# Allegro board ad-fmcmotcon1-ebz_layout.brd (continued)
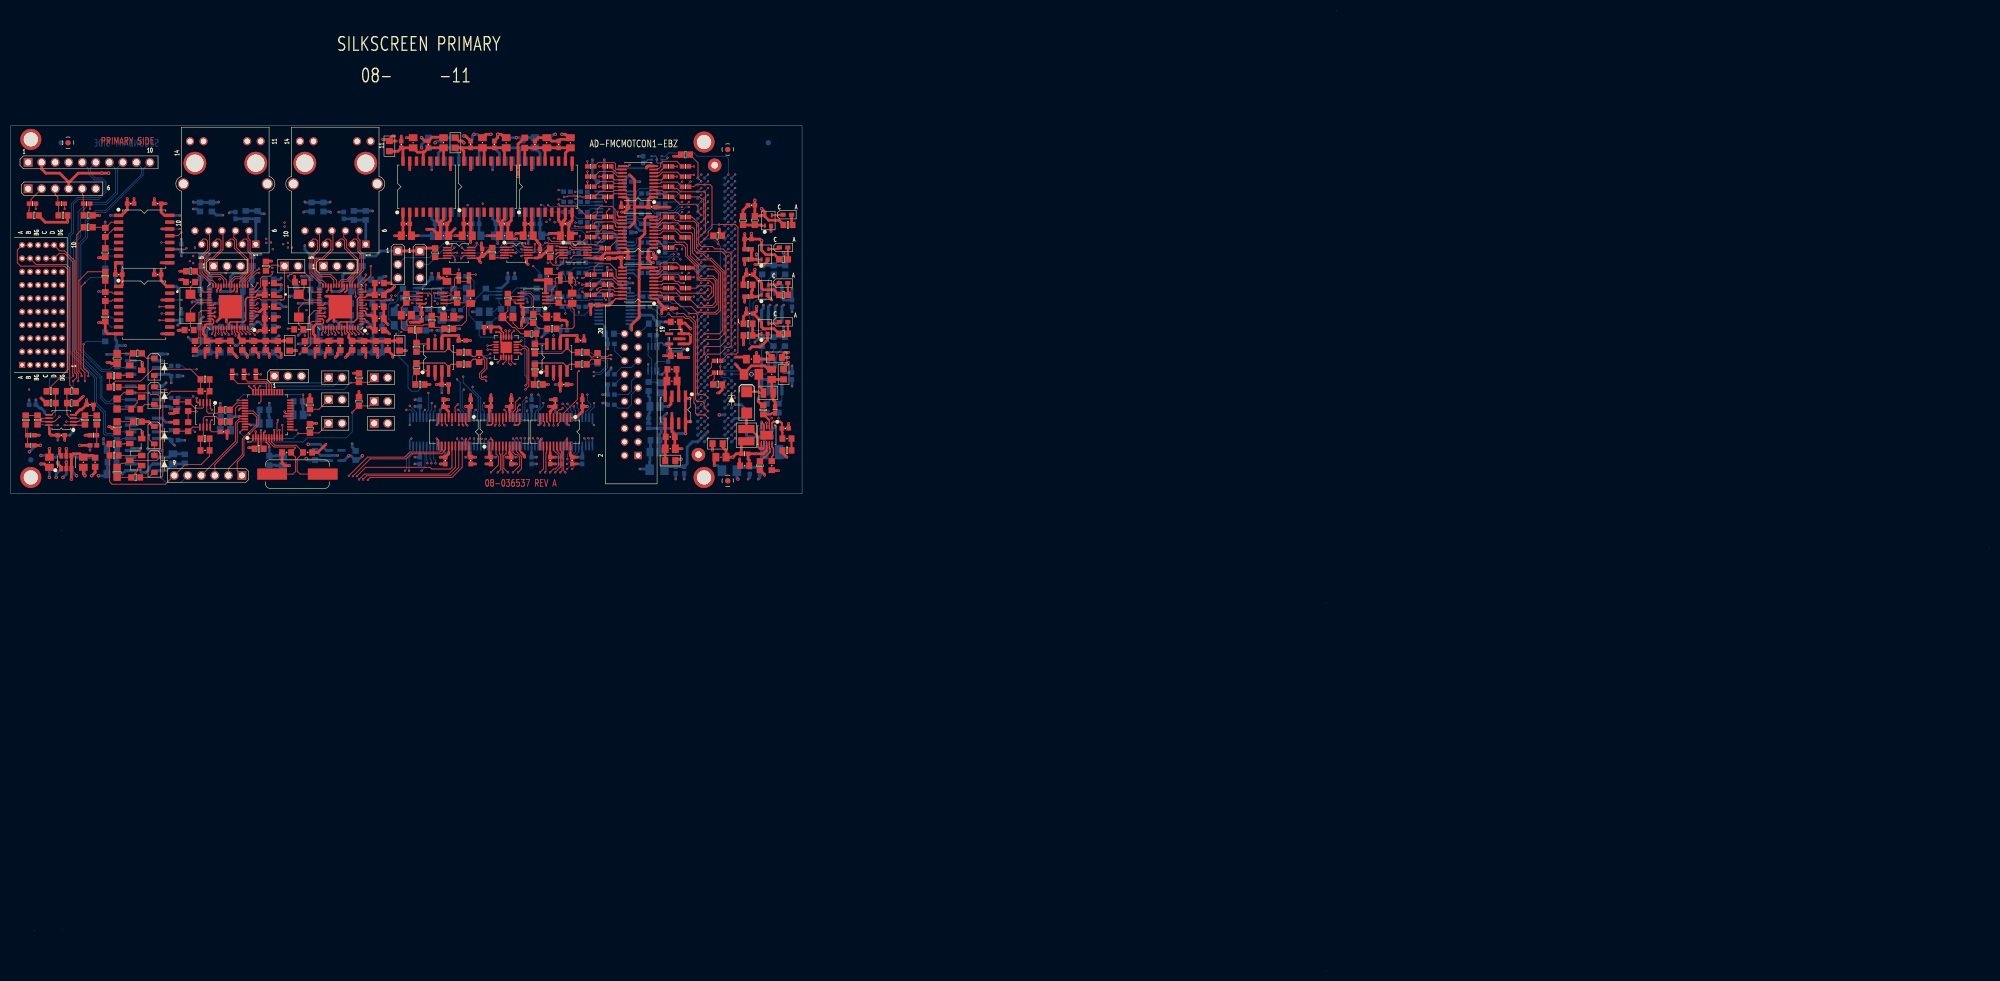
[diagram p0: board, top side]
## Routing (per net, layer and track width the routed paths; a pad name or vN(x,y) marks a point on that pad's centre or on a via; arc(x,y) is an arc through that point) (continued)
PHY1_AVDDC_1V8: length 10.9
  TOP w0.254: v1(38.39,125.29) 38.01,124.9 U28.35
  BOTTOM w0.508: E13.1 35.85,132.12 37.12,130.85 37.12,130.26 C117.1 C104.1 C98.1 37.66,125.29 v1(38.39,125.29) 39.13,125.29 C110.1
PHY1_CONFIG: length 11.3
  TOP w0.152: U28.15 44.5,129.36 46.14,131 v1(46.65,131)
  L5_SIGH w0.152: v1(46.65,131) 45.06,131 44.11,130.05 42.2,130.05 41.25,131 41.25,131.64 P11.2
PHY1_DVDD_1V0: length 19.9
  TOP w0.152: U28.42 37.95,121.4 38.07,121.53 38.07,121.54
  TOP w0.254: 38.07,121.54 38.07,122.11 37.78,122.4 U28.40 ; 46.65,123.7 46.01,123.7 45.81,123.9 U28.6 ; 36.49,121.16 36.73,121.4 U28.42
  TOP w0.508: C127.1 C122.1 C115.1 36.49,118.52 36.49,119.26 v1(36.17,119.57) 36.17,120.53 36.49,120.84 36.49,121.16 ; 46.65,123.7 46.75,123.7 C102.1 C96.1 C108.1 46.65,120.21 v1(46.33,119.89)
PHY1_LED_0: length 43.9
  TOP w0.152: U28.14 45.47,127.9 45.95,128.38 v1(46.33,129.1)
  L4_SIGV w0.152: v1(46.33,129.1) 42.58,129.1 41.88,129.79 41.88,134.62 42.14,134.87 42.14,137.16 41.63,137.67 34.01,137.67 33.76,137.92 31.72,137.92 30.96,138.68 30.96,153.02 P13.14
PHY1_LED_1: length 43
  TOP w0.152: U28.13 45.9,127.4 46.88,128.37 46.88,129.96 47.28,130.37 48.69,130.37 49.12,130.8 v1(49.12,131.19)
  L4_SIGV w0.152: P11.3 44.55,133.67 44.55,137.16 50.14,142.75 50.14,151.96 47.6,154.5 45.62,154.5 P13.12
  L5_SIGH w0.152: P11.3 47.64,132.27 48.72,131.19 v1(49.12,131.19)
PHY1_MDC: length 138.8
  TOP w0.152: R188.1 133.36,114.49 134.63,115.76 136.19,115.76 136.51,116.08 136.51,139.57 135.99,140.08 v1(132.94,140.08) ; v1(46.33,124.33) 45.94,124.33 45.87,124.4 U28.7
  L4_SIGV w0.152: v1(46.33,124.33) 49.12,127.13 51.92,127.13 52.68,127.89 52.68,135.23 52.81,135.36 v1(52.81,135.76)
  L5_SIGH w0.152: v1(52.81,135.76) 53.57,135 67.49,135 71.74,139.26 77,139.26 77.7,138.56 93.19,138.56 95.73,136.02 97.38,136.02 99.67,133.73 102.84,133.73 103.73,134.62 105.13,134.62 105.51,134.24 111.16,134.24 113.96,137.03 118.97,137.03 122.02,140.08 v1(132.94,140.08)
  BOTTOM w0.152: v1(132.94,140.08) 131.66,140.08 P1.G9
PHY1_MDI_N_0: length 12.3
  TOP w0.152: U28.27 38.5,128.99 37.95,129.54 37.44,129.54 35.92,131.06 35.92,133.86 37.31,135.25 37.31,138.72 P13.9
PHY1_MDI_N_1: length 15.2
  TOP w0.152: P13.8 39.85,138.72 39.85,135.33 38,133.48 36.8,133.48 36.68,133.35 36.68,131.44 37.44,130.68 39.47,130.68 40.5,129.66 U28.23
PHY1_MDI_N_2: length 13.4
  TOP w0.152: P13.7 41.88,138.6 41.88,137.67 42.39,137.16 42.39,135.76 44.68,133.48 44.68,131.57 43.03,129.92 42.14,129.92 41.5,129.29 41.5,129.25 41.5,129.25 U28.21
PHY1_MDI_N_3: length 11.7
  TOP w0.152: U28.17 43.5,129.38 45.57,131.44 45.57,134.49 44.93,135.13 44.93,137.16 44.55,137.54 44.55,138.72 P13.6
PHY1_MDI_P_0: length 12.3
  TOP w0.152: U28.28 38,128.87 37.73,129.14 37.33,129.14 35.53,130.94 35.53,133.99 36.93,135.38 36.93,137.03 36.61,137.36 36.11,137.36 35.85,137.1 P13.5
PHY1_MDI_P_1: length 15.2
  TOP w0.152: P13.4 38.39,137.1 38.65,137.36 39.15,137.36 39.47,137.03 39.47,135.38 37.87,133.78 36.68,133.78 36.35,133.46 36.35,131.26 37.31,130.3 39.34,130.3 40,129.65 U28.24
PHY1_MDI_P_2: length 13.4
  TOP w0.152: U28.22 41,129.29 42.01,130.3 42.98,130.3 44.37,131.7 44.37,133.27 42.01,135.64 42.01,137.03 41.69,137.36 41.19,137.36 40.93,137.1 P13.3
PHY1_MDI_P_3: length 11.6
  TOP w0.152: P13.2 43.47,137.1 43.73,137.36 44.23,137.36 44.55,137.03 44.55,135 45.19,134.37 45.19,131.57 43,129.39 U28.18
PHY1_MDIO: length 132.2
  TOP w0.152: v1(46.33,125.29) 45.94,124.9 U28.8 ; v1(132.82,136.4) 132.82,136.96 131.84,137.93 R185.2 ; v1(133.2,113.41) 133.2,112.65 133.32,112.52 R187.1
  L4_SIGV w0.152: v1(46.33,125.29) 50.14,129.1 50.14,133.86 v1(52.04,135.76)
  L5_SIGH w0.152: v1(132.82,136.4) 130.66,138.56 121.07,138.56 119.23,136.72 114.27,136.72 110.85,133.29 103.29,133.29 103.17,133.4 99.49,133.4 98.27,134.62 95.99,134.62 95.35,135.25 95.35,135.89 93.95,137.29 78.97,137.29 78.08,138.18 77.57,138.18 76.94,138.81 71.73,138.81 67.56,134.65 53.16,134.65 v1(52.04,135.76)
  BOTTOM w0.152: P1.G10 131.83,137.38 v1(132.82,136.4) 133.2,136.02 v1(133.2,113.41)
PHY1_RESETN: length 100.9
  TOP w0.152: v1(46.61,131.8) 46.32,131.51 46.12,131.51 44,129.39 U28.16
  L4_SIGV w0.152: v1(48.87,136.72) 48.87,136.32 47.6,135.05 47.6,132.79 v1(46.61,131.8)
  L5_SIGH w0.152: v1(48.87,136.72) 49.7,136.72 52.37,134.04 67.97,134.04 71.35,137.41 77.57,137.41 82.52,132.46 95.22,132.46 95.86,133.1 98.65,133.1 100.43,131.32 110.15,131.32 114.85,136.02 130.39,136.02 v1(130.9,135.51)
  BOTTOM w0.152: P1.G12 v1(130.9,135.51)
PHY1_RX_CLK: length 128
  TOP w0.152: U28.46 39.5,119.95 39.66,119.79 v1(39.66,119.38)
  L4_SIGV w0.152: v1(34.58,135.76) 34.58,135.13 35.53,134.18 35.53,132.33 39.98,127.89 39.98,126.24 41.26,124.96 41.26,121.93 39.66,120.33 v1(39.66,119.38)
  L5_SIGH w0.152: v1(34.58,135.76) 34.58,136.72 35.85,137.99 35.85,139.57 36.36,140.08 49,140.08 49.89,139.19 52.81,139.19 53.95,140.34 70.46,140.34 71.09,140.97 95.73,140.97 97.38,139.32 103.73,139.32 104.11,138.94 107.04,138.94 107.8,139.7 108.31,139.7 109.32,138.68 110.21,138.68 111.09,139.57 111.74,139.57 112.56,138.75 113.13,138.75 120.82,146.43 124.31,146.43 125.83,144.91 127.23,144.91 127.99,145.67 v1(129.63,145.67)
  BOTTOM w0.152: P1.H4 v1(129.63,145.67)
PHY1_RX_CTRL: length 127
  TOP w0.152: v1(37.76,119.57) 37.76,119.65 38,119.89 U28.43
  L4_SIGV w0.152: v1(37.76,119.57) 37.76,120.21 39.22,121.67 39.22,125.09 33.63,130.68 v1(33.63,133.22)
  L5_SIGH w0.152: v1(33.63,133.22) 33.63,134.37 34.39,135.13 46.46,135.13 47.09,135.76 47.09,138.18 47.73,138.81 53.06,138.81 54.19,139.94 70.64,139.94 71.29,140.59 95.61,140.59 97.26,138.94 101.32,138.94 102.84,137.41 103.35,137.41 104.37,138.43 104.75,138.43 105.77,137.41 108.77,137.41 109.54,138.18 110.85,138.18 111.61,137.41 112.43,137.41 120.69,145.67 123.42,145.67 125.2,143.89 129.12,143.89 v1(129.63,144.4)
  BOTTOM w0.152: P1.H5 v1(129.63,144.4)
PHY1_RXD_0: length 128
  TOP w0.152: U28.44 38.5,119.77 38.39,119.66 v1(38.39,119.25)
  L4_SIGV w0.152: v1(34.26,132.84) 34.26,130.56 39.6,125.22 39.6,121.54 38.39,120.33 v1(38.39,119.25)
  L5_SIGH w0.152: v1(34.26,132.84) 34.26,131.19 39.09,126.36 49.82,126.36 50.58,127.13 58.27,127.13 59.41,128.27 64.49,128.27 65.51,127.25 76.43,127.25 77.19,128.02 103.86,128.02 106.02,125.86 110.72,125.86 111.42,126.56 127.29,126.56 127.93,127.19 131.48,127.19 132.44,126.24 133.45,126.24 134.34,127.13 135.47,127.13 v1(135.98,126.62)
  BOTTOM w0.152: P1.C19 v1(135.98,126.62)
PHY1_RXD_1: length 127.5
  TOP w0.152: v1(39,119.6) U28.45
  L4_SIGV w0.152: v1(39,119.6) 39,120.31 39.98,121.28 39.98,125.29 35.22,130.05 35.22,133.22 v1(34.26,134.18)
  L5_SIGH w0.152: v1(34.26,134.18) 37.44,131 39.54,131 41.5,129.03 44.17,129.03 44.68,128.52 46.84,128.52 47.54,129.23 64.68,129.23 65.89,128.02 76.17,128.02 76.94,128.78 104.11,128.78 106.27,126.62 110.08,126.62 110.66,127.19 117.31,127.19 118.01,127.89 127.48,127.89 129.32,129.73 132.37,129.73 133.64,128.46 135.4,128.46 v1(135.98,127.89)
  BOTTOM w0.152: P1.C18 v1(135.98,127.89)
PHY1_RXD_2: length 127.5
  TOP w0.152: U28.47 40,119.87 v1(40.3,119.57)
  L4_SIGV w0.152: v1(40.3,119.57) 40.3,120.33 41.57,121.6 41.57,125.29 40.3,126.56 40.3,128.71 v1(39.22,129.79)
  L5_SIGH w0.152: v1(134.71,127.89) 134.21,127.89 133.45,127.13 132.31,127.13 130.98,128.46 128.56,128.46 126.97,126.87 126.47,126.87 125.83,127.51 125.32,127.51 124.69,126.87 124.31,126.87 123.67,127.51 123.16,127.51 122.53,126.87 122.08,126.87 121.45,127.51 120.75,127.51 120.12,126.87 119.61,126.87 118.97,127.51 118.08,127.51 117.45,126.87 111.1,126.87 110.46,126.24 106.15,126.24 103.99,128.4 77.06,128.4 76.3,127.63 65.63,127.63 64.68,128.59 58.46,128.59 57.38,127.51 43.92,127.51 43.03,128.4 37.82,128.4 34.77,131.44 34.77,131.95 35.02,132.2 35.67,132.2 38.07,129.79 v1(39.22,129.79)
  BOTTOM w0.152: P1.D18 v1(134.71,127.89)
PHY1_RXD_3: length 128.2
  TOP w0.152: U28.48 40.5,120 40.93,119.57 v1(40.93,119.38)
  L4_SIGV w0.152: v1(40.93,119.38) 40.93,120.33 41.88,121.28 41.88,125.6 40.65,126.84 40.65,130.65 v1(40.36,130.94)
  L5_SIGH w0.152: v1(40.36,130.94) 41.76,129.54 67.75,129.54 67.9,129.69 67.9,130.4 68.05,130.56 68.36,130.56 68.51,130.4 68.51,129.69 68.66,129.54 68.97,129.54 69.12,129.69 69.12,131.55 69.27,131.7 69.58,131.7 69.73,131.55 69.73,129.89 70.08,129.54 70.97,129.54 71.35,129.92 71.35,131.12 71.61,131.38 73.7,131.38 74.02,131.06 74.02,129.54 74.21,129.34 75.09,129.34 75.29,129.54 75.29,131.06 75.6,131.38 77.76,131.38 78.08,131.06 78.08,129.41 78.33,129.16 104.37,129.16 106.53,127 109.96,127 111.23,128.27 114.91,128.27 115.67,127.51 117.07,127.51 117.83,128.27 124.43,128.27 124.82,128.65 124.82,129.67 125.2,130.05 126.09,130.05 127.23,128.91 127.99,128.91 129.01,129.92 129.01,130.62 129.39,131 132.05,131 133.9,129.16 v1(134.71,129.16)
  BOTTOM w0.152: P1.D17 v1(134.71,129.16)
PHY1_TX_CLK: length 127.4
  TOP w0.152: U28.53 43,120.04 43.41,119.63 v1(43.41,119.51)
  L4_SIGV w0.152: v1(51.16,136.4) 49.5,136.4 47.92,134.81 47.92,129.1 44.04,125.22 44.04,120.14 v1(43.41,119.51)
  L5_SIGH w0.152: v1(134.71,140.59) 133.83,141.46 133.83,148.46 133.58,148.72 131.93,148.72 131.67,148.46 131.67,142.88 131.29,142.49 128.5,142.49 128.12,142.88 125.32,142.88 123.29,144.91 120.56,144.91 112.69,137.03 100.81,137.03 99.29,138.56 96.62,138.56 94.97,140.21 71.47,140.21 69.06,137.8 52.55,137.8 v1(51.16,136.4)
  BOTTOM w0.152: P1.D8 v1(134.71,140.59)
PHY1_TX_CTRL: length 128.3
  TOP w0.152: v1(45.82,119.38) 45.19,120.02 44.92,120.02 44.5,120.43 U28.56
  L4_SIGV w0.152: v1(52.04,136.65) 49.82,134.43 49.82,129.48 45.53,125.19 45.53,119.85 45.53,119.85 45.53,119.67 v1(45.82,119.38)
  L5_SIGH w0.152: v1(134.71,139.32) 132.93,141.1 123.04,141.1 122.89,141.25 122.89,143.36 122.73,143.51 122.43,143.51 122.28,143.36 122.28,141.25 122.12,141.1 121.82,141.1 121.67,141.25 121.67,143.36 121.51,143.51 121.21,143.51 121.06,143.36 121.06,141.25 120.9,141.1 120.6,141.1 120.45,141.25 120.45,143.1 120.29,143.26 119.99,143.26 119.84,143.1 119.84,141.25 119.68,141.1 119.38,141.1 119.23,141.25 119.23,142.09 119.08,142.24 118.77,142.24 118.62,142.09 118.62,141.25 114.72,137.35 113.45,137.35 112.75,136.65 109.83,136.65 108.43,135.25 103.86,135.25 102.64,134.04 100,134.04 97.76,136.27 97.76,136.91 94.84,139.83 71.6,139.83 69.19,137.41 52.81,137.41 v1(52.04,136.65)
  BOTTOM w0.152: P1.D9 v1(134.71,139.32)
PHY1_TXD_0: length 128.2
  TOP w0.152: U28.50 41.5,120.07 41.57,120 v1(41.57,119.57)
  L4_SIGV w0.152: v1(47.98,137.41) 47.09,136.53 47.09,135.89 45.57,134.37 45.57,131 46.96,129.6 46.96,129.03 43.15,125.22 43.15,121.79 41.57,120.21 v1(41.57,119.57)
  L5_SIGH w0.152: v1(134.71,136.78) 133.82,135.89 131.93,135.89 130.53,137.29 128.88,137.29 127.99,136.4 127.69,136.4 127.53,136.55 127.53,137.77 127.38,137.92 127.08,137.92 126.92,137.77 126.92,136.55 126.77,136.4 126.47,136.4 126.31,136.55 126.31,138.02 126.16,138.18 125.86,138.18 125.7,138.02 125.7,136.55 125.55,136.4 125.25,136.4 125.09,136.55 125.09,138.02 124.94,138.18 124.64,138.18 124.49,138.02 124.49,137.34 123.55,136.4 114.59,136.4 110.4,132.21 103.35,132.21 103.3,132.26 100,132.26 98.78,133.48 85.83,133.48 85.19,132.84 82.91,132.84 77.95,137.8 77.44,137.8 76.81,138.43 71.86,138.43 67.77,134.34 52.58,134.34 49.5,137.41 v1(47.98,137.41)
  BOTTOM w0.152: P1.D11 v1(134.71,136.78)
PHY1_TXD_1: length 128.2
  TOP w0.152: v1(42.2,119.25) 42.2,119.66 42,119.86 U28.51
  L4_SIGV w0.152: v1(42.2,119.25) 42.2,120.08 43.54,121.41 43.54,125.16 47.28,128.91 47.28,129.73 45.95,131.06 45.95,134.23 47.98,136.26 v1(47.98,136.65)
  L5_SIGH w0.152: v1(134.71,135.51) 134.01,134.81 125.77,134.81 125.58,135 121.77,135 121.39,135.38 118.34,135.38 117.45,134.49 117.45,131.06 117.32,130.94 116.85,130.94 116.7,131.09 116.7,134.98 116.54,135.13 116.24,135.13 116.09,134.98 116.09,131.35 115.67,130.94 97.13,130.94 95.99,132.08 86.72,132.08 85.83,131.19 83.16,131.19 77.32,137.03 71.48,137.03 68.17,133.73 52.17,133.73 49.82,136.08 48.55,136.08 v1(47.98,136.65)
  BOTTOM w0.152: P1.D12 v1(134.71,135.51)
PHY1_TXD_2: length 127.6
  TOP w0.152: U28.54 43.5,120.18 v1(44.17,119.51)
  L4_SIGV w0.152: v1(49.19,135.45) 48.23,134.49 48.23,128.91 44.55,125.22 44.55,119.89 v1(44.17,119.51)
  L5_SIGH w0.152: v1(134.71,132.97) 132.94,132.97 132.31,133.6 126.85,133.6 126.47,133.99 121.77,133.99 121.39,133.6 121.39,131.57 121.13,131.32 120.12,131.32 119.81,131.63 119.81,134.21 119.65,134.37 119.35,134.37 119.2,134.21 119.2,130.71 119.04,130.56 118.74,130.56 118.59,130.71 118.59,134.21 118.43,134.37 118.13,134.37 117.98,134.21 117.98,130.71 117.83,130.56 96.95,130.56 95.81,131.7 86.84,131.7 85.95,130.81 82.91,130.81 77.32,136.4 71.35,136.4 68.38,133.43 52.03,133.43 50.01,135.45 v1(49.19,135.45)
  BOTTOM w0.152: P1.D14 v1(134.71,132.97)
PHY1_TXD_3: length 127.6
  TOP w0.152: U28.55 44,120.31 44.42,119.89 44.55,119.89 v1(44.93,119.51)
  L4_SIGV w0.152: v1(44.93,119.51) 44.93,119.91 45.03,120.01 45.03,125.19 48.55,128.71 48.55,131.38 v1(49.12,131.95)
  L5_SIGH w0.152: v1(49.12,131.95) 49.53,131.95 50.55,130.94 54.97,130.94 55.98,129.92 66.65,129.92 70.59,133.86 78.71,133.86 82.4,130.18 103.86,130.18 105.89,128.14 107.92,128.14 108.43,128.65 121.39,128.65 121.89,129.16 121.89,132.72 122.02,132.84 122.33,132.84 122.48,132.69 122.48,128.93 122.63,128.78 122.94,128.78 123.09,128.93 123.09,132.69 123.24,132.84 123.55,132.84 123.7,132.69 123.7,128.93 123.85,128.78 124.16,128.78 124.31,128.93 124.31,132.59 124.56,132.84 126.59,132.84 126.97,132.46 129.77,132.46 130.28,132.97 132.31,132.97 133.58,131.7 v1(134.71,131.7)
  BOTTOM w0.152: P1.D15 v1(134.71,131.7)
PHY1_VDD_3V3: length 70.3
  TOP w0.254: v1(38.32,124.4) U28.36
  L4_SIGV w0.152: P13.11 45.81,156.84 37.33,156.84 P13.13 35.09,156.84 32.99,156.84 30.58,154.43 30.58,129.54 31.22,128.91 31.6,128.91 36.1,124.4 v1(38.32,124.4)
  BOTTOM w0.508: C113.1 C101.1 C107.1 ; E2.2 C125.1 ; E2.2 36.8,120.21 36.8,118.94 37.34,118.4 C107.1 ; E2.2 37.44,124.1 37.74,124.4 v1(38.32,124.4) ; C107.1 C120.1
PHY1_VDDO: length 27.2
  TOP w0.254: U28.49 41,121.54 41.25,121.79 42.52,121.79 ; 42.84,119.25 42.84,119.66 42.5,120 U28.52 42.5,121.77 42.52,121.79 ; 42.52,121.79 43.79,121.79 44.11,122.11 44.11,126.08 44.42,126.4 U28.11 45.9,126.4 46.33,126.83
  TOP w0.508: E1.2 51.32,118.3 51.22,118.2 C129.1 C126.1 C121.1 C114.1 42.84,118.83 42.84,119.25 ; 46.33,126.83 46.37,126.87 C131.1 C133.1
PHY2_AVDD_1V8: length 25
  TOP w0.254: U29.3 66.36,122.4 v1(66.97,121.79) ; v1(62.79,127.38) 63.14,127.73 U29.19 ; U29.38 58.86,123.4 v1(59.03,123.57) ; U29.26 59.64,127.8 v1(59.35,127.51)
  BOTTOM w0.508: C156.1 C168.1 ; C168.1 C173.1 ; C168.1 C163.1 C144.1 ; C175.1 68.02,124.07 67.92,124.17 E16.1 ; C175.1 C177.1 ; C175.1 C173.1 ; C150.1 65.6,121.06 66.33,121.79 v1(66.97,121.79) 67.92,120.84 C173.1
PHY2_AVDD_1V8_OUT: length 5.9
  TOP w0.254: U29.39 58.87,122.9 v1(59.03,122.75)
  BOTTOM w0.508: v1(55.22,136.14) 55.22,135.38 56.43,134.18 E15.2 ; v1(71.73,125.92) 70.46,125.92 E16.2
PHY2_AVDD_3V3: length 22.7
  TOP w0.254: v1(61.7,127.51) 62.08,127.51 62.42,127.85 62.47,127.85 62.64,128.02 U29.20 ; U29.25 60.14,127.67 v1(60.3,127.51)
  BOTTOM w0.508: C164.1 C151.1 ; C151.1 C145.1 ; C151.1 C157.1 ; C157.1 65.6,131.57 ; C157.1 C169.1 ; 65.6,131.57 65.6,131.85 E6.2 ; 65.6,131.57 65,131.57 64.36,130.94 62.71,130.94 62.33,130.56 62.33,128.14 v1(61.7,127.51) v1(60.3,127.51)
PHY2_AVDDC_1V8: length 10.8
  TOP w0.254: v1(59.03,125.29) 58.64,124.9 U29.35
  BOTTOM w0.508: C155.1 v1(59.03,125.29) 58.29,125.29 C143.1 C149.1 C162.1 57.98,130.15 57.12,131 57.12,131.64 E15.1
PHY2_CONFIG: length 8.8
  TOP w0.152: v1(66.65,130.68) 66.65,130.38 65.14,128.87 U29.15
  L5_SIGH w0.152: P12.2 62.84,130.68 v1(66.65,130.68)
PHY2_DVDD_1V0: length 20.4
  TOP w0.152: 58.71,121.54 58.71,121.53 58.58,121.4 U29.42
  TOP w0.254: U29.42 57.37,121.4 57.12,121.16 ; U29.6 66.45,123.9 66.65,123.7 66.65,123.44 67.03,123.06 ; U29.40 58.42,122.4 58.71,122.11 58.71,121.54
  TOP w0.508: v1(66.97,120.84) 67.6,120.84 68.24,120.21 C153.1 C147.1 ; C147.1 67.7,123.06 67.03,123.06 ; C147.1 C141.1 ; 57.12,121.16 56.81,120.84 v1(56.81,119.57) 57.12,119.26 57.12,118.52 C160.1 C167.1 C172.1
PHY2_LED_0: length 41.5
  TOP w0.152: U29.14 65.84,128.73 67.6,130.49 v1(67.6,132.27)
  L4_SIGV w0.152: P12.3 60.17,135.89 60.17,137.03 59.41,137.8 54.2,137.8 52.62,139.38 52.62,140.65 51.66,141.6 51.66,153.09 P15.14
  L5_SIGH w0.152: P12.3 v1(67.6,132.27)
PHY2_LED_1: length 35.6
  TOP w0.152: v1(66.65,128.78) 66.65,127.57 66.48,127.4 U29.13
  L4_SIGV w0.152: v1(66.65,128.78) 65.25,130.18 65.25,137.22 70.46,142.43 70.46,152.91 68.87,154.5 66.26,154.5 P15.12
PHY2_MDC: length 87
  TOP w0.152: R188.2 131.99,114.49 131.55,114.05 131.55,113.3 v1(130.9,112.65) ; v1(66.9,124.21) 66.71,124.4 U29.7
  L5_SIGH w0.152: v1(130.9,112.65) 130.39,112.14 129.64,112.14 126.64,109.14 122.02,109.14 120.62,110.54 120.62,116.59 119.96,117.25 119.96,120.87 119.35,121.48 114.27,121.48 113,120.21 99.67,120.21 96.69,123.19 88.24,123.19 86.53,121.48 78.71,121.48 76.17,118.94 71.03,118.94 66.9,123.06 v1(66.9,124.21)
  BOTTOM w0.152: P1.G30 v1(130.9,112.65)
PHY2_MDI_N_0: length 12.3
  TOP w0.152: P15.9 57.95,138.72 57.95,135.25 56.55,133.86 56.55,131.06 58.08,129.54 58.59,129.54 59.14,128.99 U29.27
PHY2_MDI_N_1: length 15.2
  TOP w0.152: P15.8 60.49,138.72 60.49,135.33 58.64,133.48 57.44,133.48 57.32,133.35 57.32,131.44 58.08,130.68 60.11,130.68 61.14,129.66 U29.23
PHY2_MDI_N_2: length 13.4
  TOP w0.152: U29.21 62.14,129.25 62.14,129.25 62.14,129.29 62.27,129.41 63.16,129.41 65.32,131.57 65.32,133.48 63.03,135.76 63.03,137.16 62.52,137.67 62.52,138.6 P15.7
PHY2_MDI_N_3: length 11.7
  TOP w0.152: P15.6 65.19,138.72 65.19,137.54 65.57,137.16 65.57,135.13 66.21,134.49 66.21,131.44 64.14,129.38 U29.17
PHY2_MDI_P_0: length 12.3
  TOP w0.152: U29.28 58.64,128.87 58.37,129.14 57.97,129.14 56.17,130.94 56.17,133.99 57.57,135.38 57.57,137.03 57.25,137.36 56.75,137.36 56.49,137.1 P15.5
PHY2_MDI_P_1: length 15.2
  TOP w0.152: P15.4 59.03,137.1 59.29,137.36 59.79,137.36 60.11,137.03 60.11,135.38 58.51,133.78 57.32,133.78 56.99,133.46 56.99,131.26 57.95,130.3 59.98,130.3 60.64,129.65 U29.24
PHY2_MDI_P_2: length 13.4
  TOP w0.152: P15.3 61.57,137.1 61.83,137.36 62.33,137.36 62.65,137.03 62.65,135.64 65.01,133.27 65.01,131.7 63.04,129.73 62.08,129.73 61.64,129.29 U29.22
PHY2_MDI_P_3: length 11.6
  TOP w0.152: U29.18 63.64,129.39 65.82,131.57 65.82,134.37 65.19,135 65.19,137.03 64.87,137.36 64.37,137.36 64.11,137.1 P15.2
PHY2_MDIO: length 89.5
  TOP w0.152: U29.8 66.49,124.9 v1(66.68,125.09) ; R186.2 131.84,110.86 132.05,111.07 R187.2 132.02,112.27 131.46,111.71 131.23,111.71 v1(130.9,111.38)
  L5_SIGH w0.152: v1(130.9,111.38) 130.26,110.74 129.39,110.74 127.48,108.84 121.89,108.84 120.24,110.49 120.24,116.46 119.61,117.09 119.61,120.59 119.04,121.16 114.59,121.16 113.32,119.89 99.35,119.89 96.43,122.81 88.3,122.81 84.01,118.52 70.88,118.52 66.4,123 66.4,124.4 66.68,124.68 v1(66.68,125.09)
  BOTTOM w0.152: P1.G31 v1(130.9,111.38)
PHY2_RESETN: length 92.5
  TOP w0.152: v1(64.74,126.56) 64.74,127.26 64.64,127.37 U29.16
  L4_SIGV w0.152: v1(64.74,126.56) 64.74,121.79 v1(66.97,119.57)
  L5_SIGH w0.152: v1(66.97,119.57) 68.43,118.11 84.24,118.11 88.56,122.43 96.18,122.43 97.76,120.84 97.76,118.94 98.4,118.3 110.4,118.3 111.48,119.38 113.45,119.38 114.91,120.84 118.72,120.84 119.23,120.33 119.23,111 121.89,108.33 127.93,108.33 129.01,109.41 130.32,109.41 v1(130.9,108.84)
  BOTTOM w0.152: P1.G33 v1(130.9,108.84)
PHY2_RX_CLK: length 128.2
  TOP w0.152: U29.46 60.14,119.73 v1(60.3,119.57)
  L4_SIGV w0.152: v1(60.3,119.57) 57.76,122.11 57.76,126.24 56.36,127.63 56.36,133.1 53.82,135.64 53.82,136.65 51.92,138.56 51.92,139.95 v1(51.41,140.46)
  L5_SIGH w0.152: v1(130.9,148.21) 130.2,147.51 127.36,147.51 126.34,148.53 126.34,149.56 126.49,149.71 127.33,149.71 127.48,149.86 127.48,150.16 127.33,150.32 126.49,150.32 126.34,150.47 126.34,150.77 126.49,150.93 127.33,150.93 127.48,151.08 127.48,151.38 127.33,151.54 126.49,151.54 126.34,151.69 126.34,151.99 126.49,152.15 127.84,152.15 127.99,152.3 127.99,152.6 127.84,152.76 126.49,152.76 125.83,153.42 121.13,153.42 120.62,152.91 120.62,147.51 114.08,140.97 104.37,140.97 103.48,140.08 97.64,140.08 95.99,141.73 70.71,141.73 69.95,140.97 53.57,140.97 53.06,140.46 v1(51.41,140.46)
  BOTTOM w0.152: P1.G2 v1(130.9,148.21)
PHY2_RX_CTRL: length 128.1
  TOP w0.152: v1(58.39,119.38) 58.39,119.79 58.64,120.03 U29.43
  L4_SIGV w0.152: v1(58.39,119.38) 58.39,119.79 57.35,120.83 57.35,125.76 55.89,127.22 55.89,132.68 53.44,135.13 53.44,136.53 51.41,138.56 v1(51.41,139.7)
  L5_SIGH w0.152: v1(130.9,146.94) 130.2,146.24 125.77,146.24 124.31,147.7 124.31,151.64 124.05,151.89 123.55,151.89 123.34,151.69 123.34,147.22 123.06,146.94 122.12,146.94 121.89,147.17 121.89,151.38 121.64,151.64 121.26,151.64 121.01,151.38 121.01,147.26 114.34,140.59 107.92,140.59 106.65,139.32 104.24,139.32 103.86,139.7 97.51,139.7 95.86,141.35 70.97,141.35 70.26,140.64 53.75,140.64 52.81,139.7 v1(51.41,139.7)
  BOTTOM w0.152: P1.G3 v1(130.9,146.94)
PHY2_RXD_0: length 127.6
  TOP w0.152: v1(59.05,119.81) 59.14,119.89 U29.44
  L5_SIGH w0.152: v1(130.9,119) 132.94,119 133.71,118.24 133.71,114.05 135.1,112.65 136.58,112.65 136.96,112.27 136.96,109.8 136.63,109.47 132.56,109.47 132.18,109.85 132.18,115.44 131.8,115.82 128.75,115.82 128.37,115.44 128.37,113.92 124.69,110.24 123.04,110.24 122.66,110.62 122.66,113.41 121.74,114.33 121.74,120.68 119.99,122.43 113.32,122.43 112.05,121.16 105.7,121.16 104.81,122.05 99.42,122.05 97.13,124.33 83.16,124.33 81.76,122.94 78.46,122.94 75.92,120.4 70.08,120.4 67.79,122.68 67.79,124.97 67.16,125.6 64.36,125.6 63.35,124.59 63.35,118.75 63.09,118.49 59.41,118.49 59.05,118.85 v1(59.05,119.81)
  BOTTOM w0.152: P1.G25 v1(130.9,119)
PHY2_RXD_1: length 127.6
  TOP w0.152: v1(59.64,119.38) U29.45
  L5_SIGH w0.152: v1(130.9,120.27) 130.15,119.52 130.15,118.75 130.4,118.49 132.94,118.49 133.32,118.11 133.32,113.92 134.98,112.27 136.37,112.27 136.63,112.01 136.63,110.87 136.37,110.62 133.07,110.62 132.56,111.12 132.56,115.95 131.55,116.97 129.01,116.97 127.94,115.9 127.94,114.17 127.69,113.92 126.85,113.92 126.47,114.3 126.47,115.45 126.1,115.82 125.45,115.82 125.07,115.44 125.07,111.76 124.69,111.38 123.42,111.38 123.04,111.76 123.04,113.66 122.05,114.65 122.05,120.87 120.18,122.75 113,122.75 111.8,121.54 106.12,121.54 105.23,122.43 99.48,122.43 97.26,124.65 82.97,124.65 81.64,123.32 78.33,123.32 75.79,120.78 70.33,120.78 68.17,122.94 68.17,125.22 67.41,125.98 64.11,125.98 62.84,124.71 62.84,122.99 59.64,119.79 v1(59.64,119.38)
  BOTTOM w0.152: P1.G24 v1(130.9,120.27)
PHY2_RXD_2: length 127.7
  TOP w0.152: v1(60.93,119.37) 60.93,119.77 60.64,120.07 U29.47
  L4_SIGV w0.152: v1(60.93,119.37) 60.93,118.96 63.69,116.2 73.13,116.2 79.48,122.56 79.48,124.59 v1(80.11,125.22)
  L5_SIGH w0.152: v1(130.9,122.81) 130.5,122.81 129.8,122.11 129.2,122.11 128.45,121.36 128.45,117.86 128.07,117.47 127,117.47 126.85,117.63 126.85,124.05 126.7,124.21 126.39,124.21 126.24,124.05 126.24,123.18 126.09,123.02 125.6,123.02 125.45,122.87 125.45,122.57 125.6,122.42 126.09,122.42 126.24,122.26 126.24,121.96 126.09,121.81 124.84,121.81 124.69,121.65 124.69,121.35 124.84,121.2 126.09,121.2 126.24,121.04 126.24,117.63 126.09,117.47 125.78,117.47 125.63,117.63 125.63,119.61 125.48,119.76 125.17,119.76 125.02,119.61 125.02,117.63 124.87,117.47 124.31,117.47 124.05,117.73 124.05,122.05 123.67,122.43 122.02,122.43 120.62,123.83 112.62,123.83 111.48,122.68 106.72,122.68 105.16,124.24 102.51,124.24 102.21,124.54 102.21,126.31 102.03,126.49 101.69,126.49 101.54,126.34 101.54,123.96 101.39,123.81 101.08,123.81 100.93,123.96 100.93,126.34 100.78,126.49 100.47,126.49 100.32,126.34 100.32,124.21 100.17,124.06 99.86,124.06 99.71,124.21 99.71,126.34 99.56,126.49 99.26,126.49 99.1,126.34 99.1,125.36 98.95,125.2 98.65,125.2 98.49,125.36 98.49,126.34 98.34,126.49 94.34,126.49 93.57,125.73 92.68,125.73 91.92,126.49 90.78,126.49 90.02,125.73 89.64,125.73 88.87,126.49 88.37,126.49 87.6,125.73 87.1,125.73 86.34,126.49 85.69,126.49 84.94,125.73 84.3,125.73 83.54,126.49 82.91,126.49 81.25,124.84 80.49,124.84 v1(80.11,125.22)
  BOTTOM w0.152: P1.G22 v1(130.9,122.81)
PHY2_RXD_3: length 128
  TOP w0.152: U29.48 61.14,120.19 v1(61.57,119.76)
  L4_SIGV w0.152: v1(79.6,125.73) 78.97,125.09 78.97,122.56 72.98,116.57 64.13,116.57 61.57,119.13 v1(61.57,119.76)
  L5_SIGH w0.152: v1(79.6,125.73) 80.87,125.73 81.13,125.98 81.13,126.49 81.51,126.87 83.67,126.87 84.34,126.21 84.98,126.21 85.65,126.87 86.46,126.87 87.07,126.27 87.71,126.27 88.32,126.87 89,126.87 89.51,126.36 90.14,126.36 90.65,126.87 92.05,126.87 92.81,126.11 93.45,126.11 94.21,126.87 102.84,126.87 103.23,126.49 103.23,126.11 102.72,125.6 102.72,124.97 102.97,124.71 105.38,124.71 106.02,124.08 106.78,124.08 107.67,123.19 108.05,123.19 108.94,124.08 109.7,124.08 110.72,123.06 111.35,123.06 112.62,124.33 113.39,124.33 113.64,124.59 113.64,125.09 113.77,125.22 114.11,125.22 114.24,125.09 114.24,124.28 114.39,124.13 114.69,124.13 114.85,124.28 114.85,125.46 115,125.62 115.3,125.62 115.46,125.46 115.46,124.28 115.61,124.13 115.91,124.13 116.07,124.28 116.07,125.46 116.22,125.62 116.52,125.62 116.67,125.46 116.67,124.28 116.83,124.13 117.13,124.13 117.28,124.28 117.28,125.46 117.44,125.62 117.74,125.62 117.89,125.46 117.89,124.28 118.05,124.13 118.35,124.13 118.5,124.28 118.5,125.46 118.66,125.62 118.96,125.62 119.11,125.46 119.11,124.28 119.27,124.13 119.57,124.13 119.72,124.28 119.72,125.46 119.88,125.62 120.18,125.62 120.33,125.46 120.33,124.28 120.48,124.13 120.79,124.13 120.94,124.28 120.94,125.46 121.09,125.62 121.4,125.62 121.55,125.46 121.55,124.03 121.7,123.88 122.01,123.88 122.16,124.03 122.16,125.46 122.31,125.62 122.62,125.62 122.77,125.46 122.77,123.9 122.92,123.75 123.23,123.75 123.38,123.9 123.38,125.46 123.53,125.62 123.84,125.62 123.99,125.46 123.99,122.71 124.14,122.56 124.45,122.56 124.6,122.71 124.6,125.46 124.75,125.62 125.18,125.62 125.34,125.46 125.34,124.87 125.49,124.71 125.79,124.71 125.95,124.87 125.95,125.46 126.1,125.62 127.47,125.62 127.74,125.35 127.74,124.97 128.37,124.33 128.37,123.95 127.74,123.32 127.74,122.3 127.99,122.05 128.63,122.05 129.01,122.43 129.01,123.19 129.2,123.38 131.36,123.38 133.07,121.67 133.58,121.67 133.83,121.92 133.83,122.3 132.05,124.08 v1(130.9,124.08)